# KiCad board MyCPU.kicad_pcb (continued)
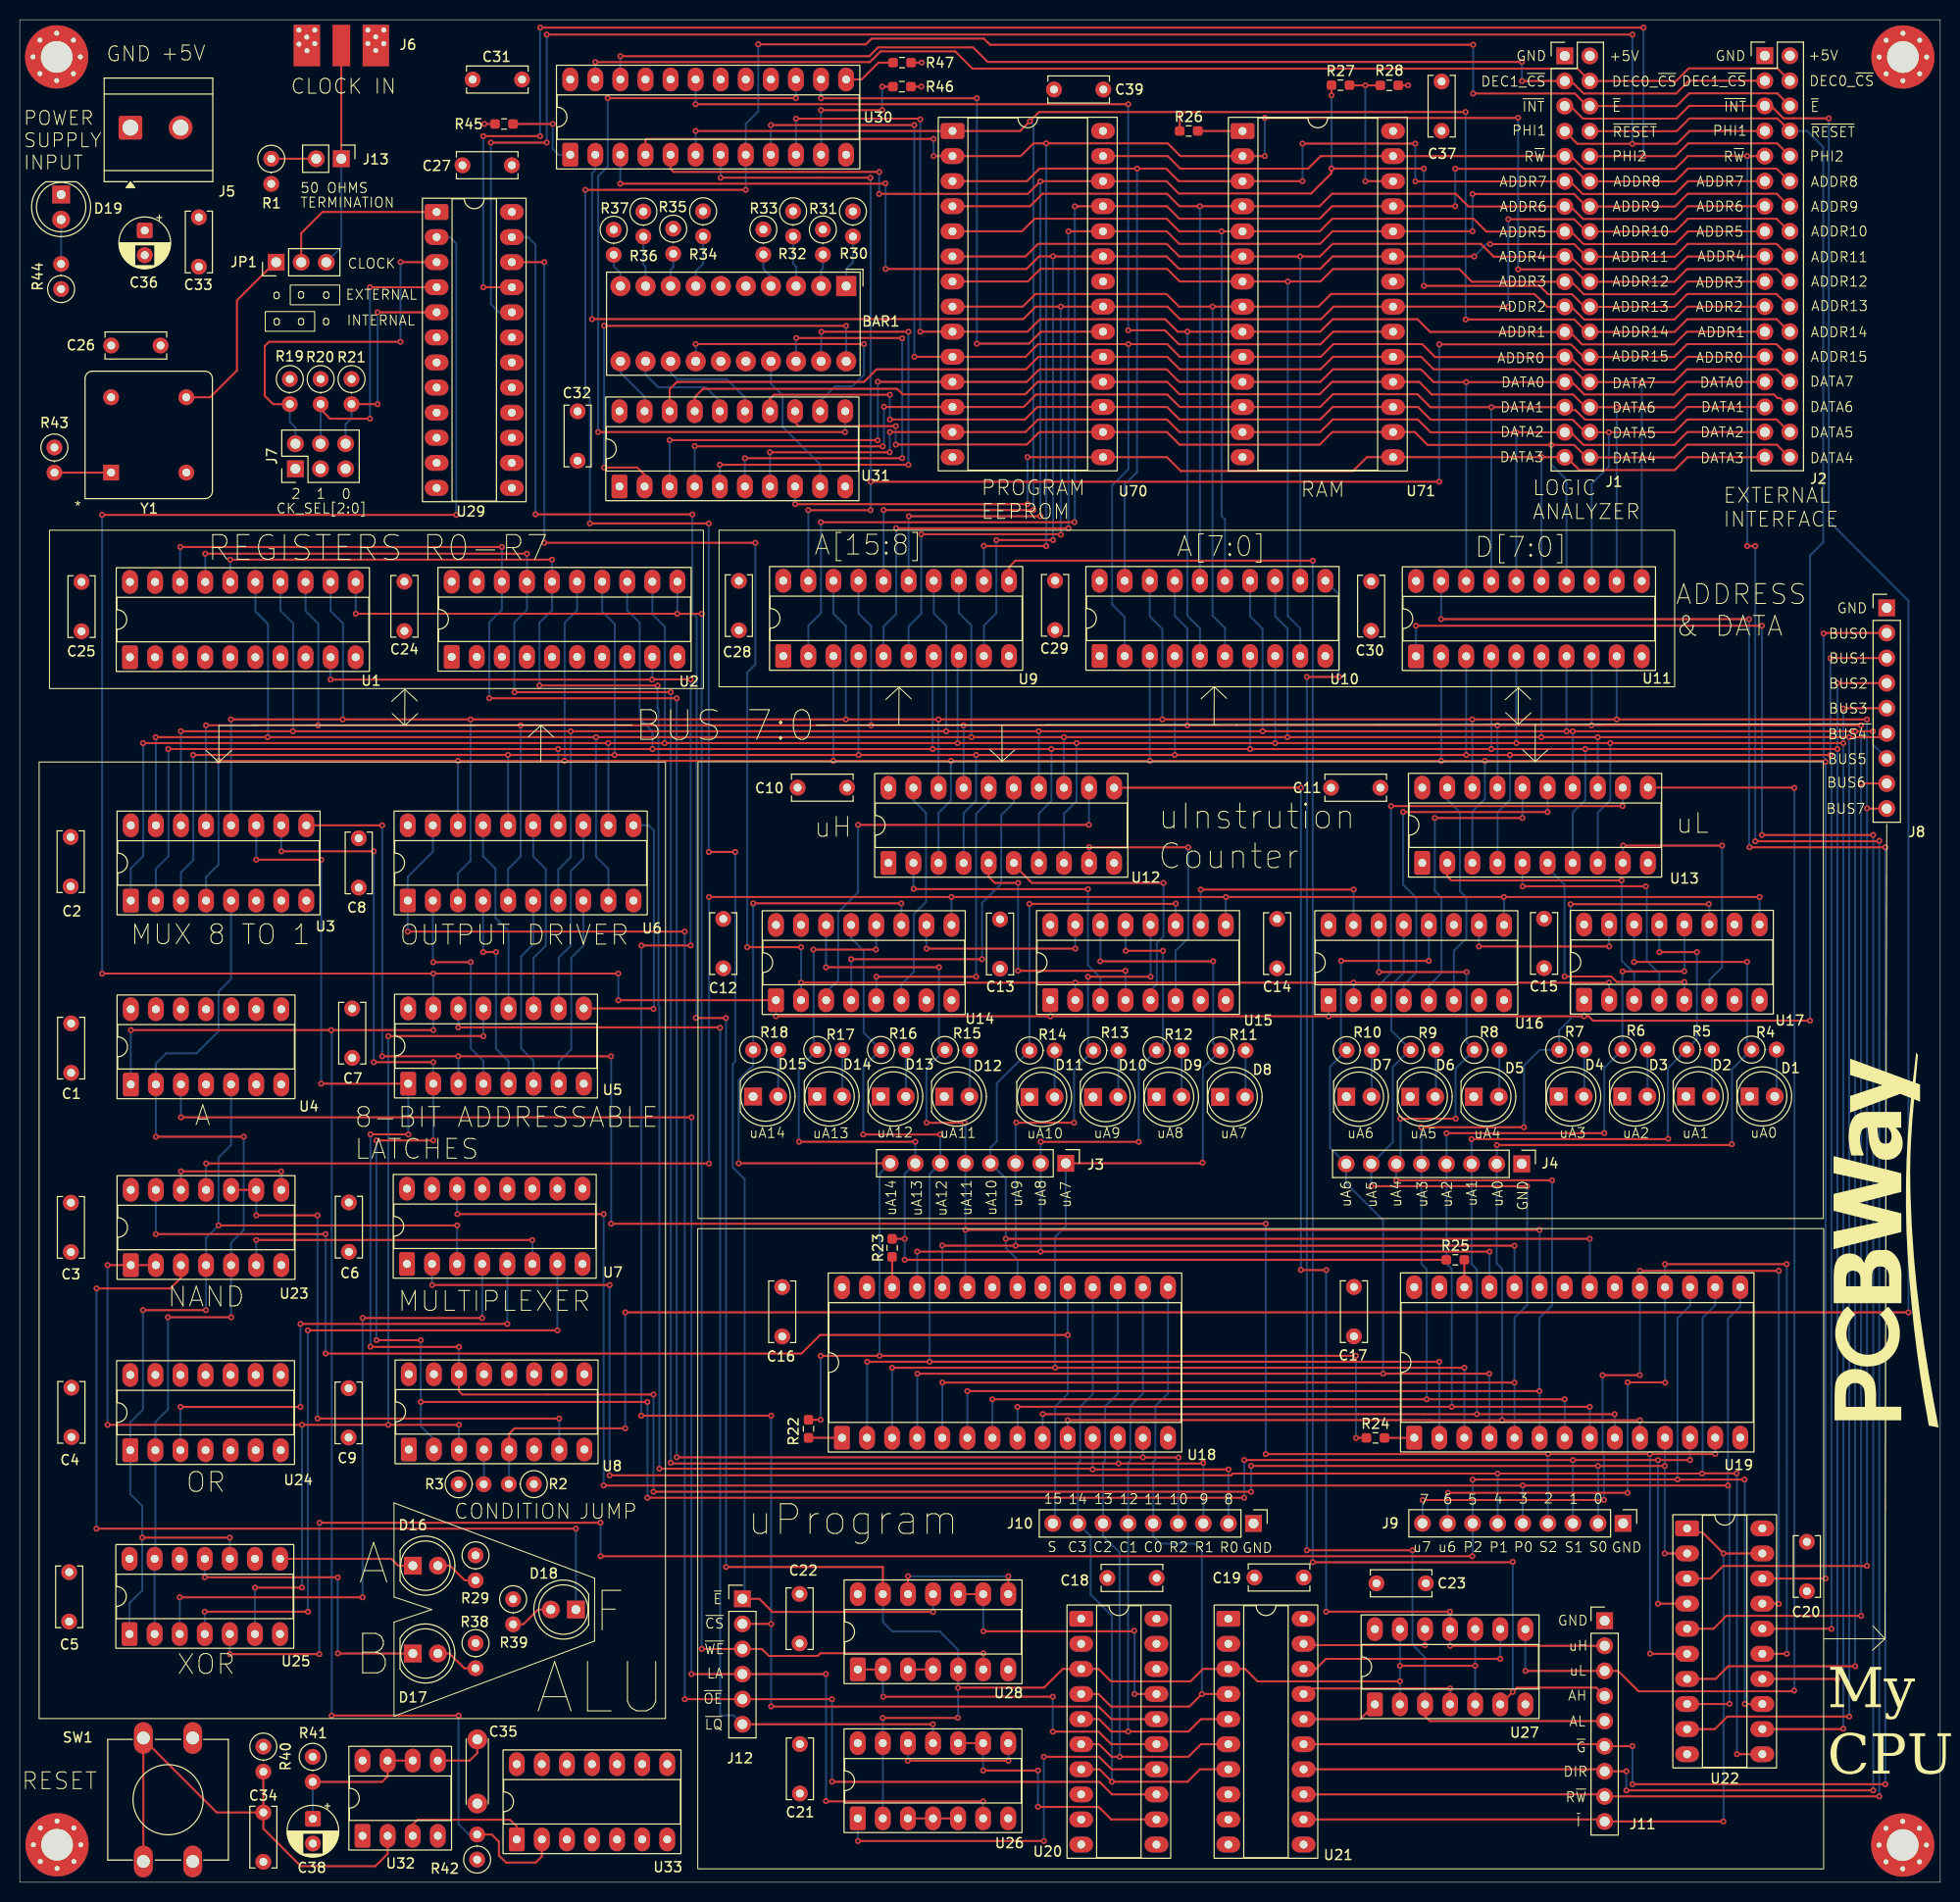
[diagram p0: board, top side]
## Routing (per net, layer and track width the routed paths; a pad name or vN(x,y) marks a point on that pad's centre or on a via; arc(x,y) is an arc through that point) (continued)
uL: length 138.6
  Top w0.2: 152.48,21.4 v1(152.49,21.39) J11.3 161.88,21.39 163.94,19.33 179.63,19.33 v1(179.7,19.4) ; v1(179.72,110.79) 179.69,110.82 U13.11
  Bottom w0.2: v1(179.72,110.79) 179.73,110.78 179.73,19.44 v1(179.7,19.4) ; v1(152.49,21.39) 152.48,21.4 U27.8
~{CS}: length 205.6
  Top w0.2: v1(76.1,26.14) 76.09,26.15 J12.2 ; U20.16 110.54,16.51 109.27,17.78 76.12,17.78 v1(76.1,17.81) ; v1(67.95,94.83) 62.97,94.83 v1(62.96,94.82) ; v1(76.1,47.23) v1(62.95,47.23) ; v1(67.95,121.77) 64.06,121.77 v1(64.03,121.75) v1(31.49,121.75)
  Bottom w0.2: U1.9 v1(31.49,121.75) ; v1(76.1,17.81) v1(76.1,26.14) v1(76.1,47.23) ; U2.9 64.06,121.78 v1(64.03,121.75) ; v1(62.95,47.23) 62.95,94.81 v1(62.96,94.82) ; v1(67.95,94.83) v1(67.95,121.77)
~{E}: length 323.1
  Top w0.2: v1(92.5,27.35) 92.49,27.37 76.23,27.37 74.9,28.69 J12.1 ; v1(73.53,171.33) v1(57.28,171.33) ; v1(147.19,181.08) 157.49,181.08 158.76,179.81 J1.6 167.79,179.81 169.08,181.1 178,181.1 J2.6 ; v1(57.74,137.56) v1(69.78,137.56) ; v1(74.79,186.06) 85.69,186.06 86.27,186.65 97.64,186.65 98.26,186.02 v1(147.2,186.02) 147.07,186.15 ; v1(69.78,104.3) v1(72.46,104.3)
  Bottom w0.2: J12.1 73.41,28.92 73.41,71.17 72.21,72.38 72.21,82.83 72.46,83.09 72.46,101.94 72.46,101.94 v1(72.46,104.3) ; v1(57.74,137.56) 57.74,150.26 57.28,150.72 v1(57.28,171.33) ; v1(69.78,104.3) v1(69.78,137.56) ; v1(74.79,186.06) 74.79,179.26 73.53,178 U30.8 v1(73.53,171.33) ; U28.11 92.5,27.36 v1(92.5,27.35) ; v1(147.19,181.08) 147.2,181.09 v1(147.2,186.02)
~{G}: length 229.6
  Top w0.2: v1(163.33,13.78) 163.32,13.77 J11.6 160.31,13.97 U21.15 ; v1(175.14,127.87) v1(143.95,127.87) ; v1(163.33,9.92) v1(188.93,9.92) ; v1(175.19,104.77) v1(188.93,104.77)
  Bottom w0.2: v1(175.14,127.87) 175.14,104.82 v1(175.19,104.77) ; v1(188.93,9.92) v1(188.93,104.77) ; v1(163.33,9.92) v1(163.33,13.78) ; v1(143.95,127.87) U11.19
~{INT}: length 311.3
  Top w0.2: v1(191.28,57.69) v1(61.32,57.69) ; v1(61.32,45.95) 50.11,45.95 49.56,45.4 U8.5 ; J1.5 157.04,179.81 158.31,178.54 167.78,178.54 169.07,179.83 J2.5 177.37,179.83 178.63,178.57 v1(183.21,178.57)
  Bottom w0.2: v1(191.28,57.69) 191.28,129.73 183.21,137.8 v1(183.21,178.57) ; U8.5 49.56,40.34 R2.2 ; v1(61.32,57.69) v1(61.32,45.95)
~{I}: length 78.5
  Top w0.2: v1(172.55,33.28) 170.41,35.42 169.26,35.42 U22.1 ; v1(172.55,33.28) U22.19 ; v1(172.55,33.28) 172.55,33.21 ; v1(172.53,6.15) J11.9 160.31,6.35 U21.12
  Bottom w0.2: v1(172.55,33.28) 172.55,6.17 v1(172.53,6.15)
~{LQ}: length 121.9
  Top w0.2: v1(92.48,16) J12.6 ; v1(70.93,86.5) 70.89,86.54 v1(44.41,86.54)
  Bottom w0.2: v1(92.48,16) 92.49,15.98 U26.11 ; v1(44.41,86.54) 44.42,86.55 U5.14 ; J12.6 72.29,16.89 70.93,16.89 v1(70.93,86.5)
~{OE}: length 174.2
  Top w0.2: v1(67.35,18.52) 67.36,18.53 J12.5 82.25,18.53 v1(82.26,18.52) ; U20.13 110.62,8.89 109.35,10.16 82.29,10.16 v1(82.27,10.19) ; v1(67.35,96.24) v1(39.29,96.24)
  Bottom w0.2: v1(67.35,96.24) v1(67.35,18.52) ; U6.19 41.84,104.33 39.3,101.79 U6.1 39.3,96.25 v1(39.29,96.24) ; v1(82.26,18.52) 82.27,18.51 v1(82.27,10.19)
~{RESET}: length 556.8
  Top w0.2: v1(41.88,91.99) 8.35,91.99 v1(8.34,91.98) ; v1(41.88,91.99) 41.89,92 ; v1(41.88,91.99) v1(60.62,91.99) ; v1(76.58,87.67) 76.58,87.67 v1(104.38,87.67) v1(132.56,87.67) v1(158.43,87.67) 158.88,87.67 159.33,87.22 v1(181.31,87.22) ; R42.2 47.8,4.83 48.53,4.1 48.53,2.71 49.25,2 52.26,2 52.88,2.61 U33.2 ; J1.8 167.8,177.27 169.09,178.56 178,178.56 J2.8 ; U14.1 60.63,89.29 v1(60.62,89.28) ; v1(31.59,16.88) v1(44.44,16.88) ; v1(41.88,86.27) v1(31.54,86.27) v1(11.25,86.27) ; v1(8.34,138.42) v1(44.2,138.42)
  Bottom w0.2: v1(76.58,87.67) 76.58,89.29 U14.1 ; v1(44.2,138.42) 44.2,165.9 43.55,166.55 U29.2 ; U17.1 158.43,89.33 v1(158.43,87.67) ; R42.2 45.49,4.83 44.44,5.88 v1(44.44,16.88) ; U16.1 132.56,89.28 v1(132.56,87.67) ; v1(181.31,87.22) 181.31,134.31 182.65,135.65 182.65,175.67 181.03,177.29 J2.8 ; v1(31.59,16.88) 31.59,86.22 v1(31.54,86.27) ; v1(60.62,89.28) v1(60.62,91.99) ; v1(8.34,91.98) v1(8.34,138.42) ; v1(41.88,86.27) U5.15 v1(41.88,91.99) ; U4.1 11.25,86.26 v1(11.25,86.27) ; U15.1 104.38,89.29 v1(104.38,87.67)
~{uLoad}: length 198.3
  Top w0.2: v1(69.81,72.77) v1(18.88,72.77) ; v1(69.81,99.74) v1(94.36,99.74) v1(122.16,99.74) v1(150.31,99.74) v1(176.2,99.74)
  Bottom w0.2: v1(69.81,99.74) v1(69.81,72.77) ; v1(122.16,99.74) 122.14,99.73 122.14,96.92 ; U23.11 18.87,72.75 v1(18.88,72.77) ; v1(94.36,99.74) 94.37,99.73 U14.9 ; v1(150.31,99.74) 150.32,99.72 U16.9 ; v1(176.2,99.74) U17.9
~{WE}: length 176.9
  Top w0.2: 69.06,128.42 v1(69.06,128.41) 66.59,128.41 v1(66.58,128.42) v1(34.03,128.42) ; v1(69.06,23.62) J12.3 75.17,23.62 75.87,22.91 80.83,22.91 81.1,23.19 97.58,23.19 v1(97.59,23.17)
  Bottom w0.2: v1(66.58,128.42) 66.61,128.44 U2.11 ; v1(69.06,128.41) v1(69.06,23.62) ; 34.03,131.64 34.03,128.42 v1(34.03,128.42) ; v1(97.59,23.17) 97.57,23.16 U28.6
Net-(BAR1-A-Pad1): length 5.3
  Bottom w0.2: R30.2 84.38,164 83.7,163.32 BAR1.1
Net-(BAR1-A-Pad2): length 3.3
  Bottom w0.2: BAR1.2 81.16,163.2 81.34,163.38 R31.2
Net-(BAR1-A-Pad3): length 5.2
  Bottom w0.2: R32.2 78.32,163.86 78.62,163.56 BAR1.3
Net-(BAR1-A-Pad4): length 3.5
  Bottom w0.2: BAR1.4 76.08,162.56 75.31,163.33 R33.2
Net-(BAR1-A-Pad7): length 5.3
  Bottom w0.2: R34.2 69.21,163.85 68.46,163.1 BAR1.7
Net-(BAR1-A-Pad8): length 3.4
  Bottom w0.2: R35.2 66.18,163.49 65.92,163.23 BAR1.8
Net-(BAR1-A-Pad9): length 5.1
  Bottom w0.2: R36.2 63.16,163.78 63.38,163.56 BAR1.9
Net-(BAR1-A-Pad10): length 3.5
  Bottom w0.2: BAR1.10 60.84,162.92 60.15,163.61 R37.2
Net-(D1-A): length 4.8
  Bottom w0.2: R4.2 177.93,79.74 D1.2
Net-(D2-A): length 4.8
  Bottom w0.2: D2.2 171.37,79.63 R5.2
Net-(D3-A): length 4.8
  Bottom w0.2: D3.2 164.86,79.56 R6.2
Net-(D4-A): length 4.8
  Bottom w0.2: D4.2 158.45,79.6 R7.2
Net-(D5-A): length 4.8
  Bottom w0.2: D5.2 149.85,79.57 R8.2
Net-(D6-A): length 4.8
  Bottom w0.2: R9.2 143.42,79.59 D6.2
Net-(D7-A): length 4.7
  Bottom w0.2: D7.2 136.93,79.56 R10.2
Net-(D8-A): length 4.7
  Bottom w0.2: R11.2 124.14,79.54 D8.2
Net-(D9-A): length 4.7
  Bottom w0.2: R12.2 D9.2
Net-(D10-A): length 4.7
  Bottom w0.2: R13.2 111.26,79.52 D10.2
Net-(D11-A): length 4.7
  Bottom w0.2: R14.2 104.81,79.5 D11.2
Net-(D12-A): length 4.7
  Bottom w0.2: D12.2 96.23,79.59 R15.2
Net-(D13-A): length 4.7
  Bottom w0.2: R16.2 89.76,79.57 D13.2
Net-(D14-A): length 4.7
  Bottom w0.2: D14.2 83.31,79.57 R17.2
Net-(D15-A): length 4.7
  Bottom w0.2: R18.2 76.81,79.55 D15.2
Net-(D16-A): length 4.4
  Top w0.2: R29.2 45.07,30.56 43.58,32.05 D16.2
Net-(D16-K): length 13.7
  Top w0.2: U25.8 37.63,32.75 38.33,32.05 D16.1
Net-(D17-A): length 4.8
  Top w0.2: 45.94,21.88 R38.2 45.02,21.66 43.55,23.14 43.55,23.16 D17.2
Net-(D17-K): length 30.6
  Top w0.2: v1(32.21,30.87) 32.2,30.88 v1(18.74,30.88) ; D17.1 32.24,23.16 v1(32.22,23.17)
  Bottom w0.2: v1(32.21,30.87) 32.21,23.19 v1(32.22,23.17) ; U25.11 v1(18.74,30.88)
Net-(D18-A): length 4.4
  Top w0.2: R39.2 51,26.11 52.49,27.6 53.78,27.6
Net-(D18-K): length 91.4
  Top w0.2: U23.3 16.33,61.19 15.25,60.11 v1(7.78,60.11) ; v1(56.33,35.79) v1(7.77,35.79)
  Bottom w0.2: D18.1 56.33,35.79 v1(56.33,35.79) ; v1(7.78,60.11) 7.77,60.1 v1(7.77,35.79)
Net-(D19-A): length 4.5
  Bottom w0.2: D19.2 R44.2
Net-(J13-Pin_1): length 22.7
  Top w0.2: 32.54,174.51 J13.1 ; J13.1 32.53,174.52 ; J13.1 32.56,185.94 J6.1 ; 32.56,184.28 32.56,184.28
  Bottom w0.2: JP1.3 32.56,165.52 J13.1
Net-(J13-Pin_2): length 4.6
  Top w0.2: J13.2 25.47,174.48 R1.1
Net-(JP1-A): length 18.9
  Top w0.2: Y1.5 19.28,150.33 22,153.05 22,160.14 25.86,164 JP1.1
Net-(JP1-C): length 17.5
  Top w0.2: JP1.2 28.5,166.94 30.66,169.09 U29.1
Net-(U7-I0a): length 32.9
  Top w0.2: v1(23.96,65.02) v1(51.91,65.02)
  Bottom w0.2: 51.92,62.59 51.92,65.01 v1(51.91,65.02) ; U23.6 23.94,65.01 v1(23.96,65.02)
Net-(U7-I1a): length 52
  Top w0.2: v1(16.28,48.12) v1(28.43,48.12) ; v1(28.43,56.52) v1(49.38,56.52)
  Bottom w0.2: v1(49.38,56.52) 49.38,56.52 U7.5 ; U24.3 16.28,48.11 v1(16.28,48.12) ; v1(28.43,48.12) v1(28.43,56.52)
Net-(U7-I2a): length 68.1
  Top w0.2: v1(16.21,28.84) v1(34.72,28.84) ; v1(34.72,57.12) v1(46.83,57.12)
  Bottom w0.2: v1(34.72,57.12) v1(34.72,28.84) ; U25.3 16.2,28.84 v1(16.21,28.84) ; v1(46.83,57.12) 46.84,57.12 U7.4
Net-(U7-Za): length 73.2
  Top w0.2: v1(18.73,27.39) v1(29.18,27.39) ; v1(54.46,55.87) v1(29.18,55.87)
  Bottom w0.2: U7.7 v1(54.46,55.87) ; v1(29.18,27.39) v1(29.18,55.87) ; U25.4 18.74,27.38 v1(18.73,27.39)
Net-(U8-I2a): length 3.5
  Bottom w0.2: R3.2 47.02,40.33 U8.4
Net-(U8-Za): length 59.5
  Top w0.2: v1(54.63,46.94) v1(30.16,46.94) ; U23.10 U23.9 ; v1(30.16,67.52) v1(23.96,67.52)
  Bottom w0.2: U8.7 54.64,46.93 v1(54.63,46.94) ; v1(30.16,46.94) v1(30.16,67.52) ; U23.9 23.94,67.53 v1(23.96,67.52)
Net-(U12-O0): length 32.1
  Top w0.2: v1(90.53,100.57) 90.56,100.54 v1(108.18,100.54)
  Bottom w0.2: v1(90.53,100.57) 90.51,100.59 U12.2 ; U15.3 109.44,91.58 108.18,92.84 v1(108.18,100.54)
Net-(U12-O1): length 27.4
  Top w0.2: v1(101.11,101.17) 98.75,101.17 98.13,101.79 U12.5 ; v1(111.98,92.27) v1(101.11,92.27)
  Bottom w0.2: v1(111.98,92.27) 111.99,92.26 U15.4 ; v1(101.11,92.27) v1(101.11,101.17)
Net-(U12-O2): length 28.5
  Top w0.2: U12.6 100.67,103 102.5,101.17 v1(115.83,101.17)
  Bottom w0.2: U15.5 114.53,90.29 115.16,90.92 115.16,95.07 115.83,95.74 v1(115.83,101.17)
Net-(U12-O3): length 27.8
  Top w0.2: v1(108.31,104.79) 108.33,104.77 v1(118.33,104.77) 118.53,104.77
  Bottom w0.2: v1(118.33,104.77) 118.33,95.57 117.06,94.3 U15.6 ; U12.9 108.29,104.78 v1(108.31,104.79)
Net-(U12-O4): length 46.2
  Top w0.2: v1(84.91,107.04) v1(108.28,107.04)
  Bottom w0.2: U14.3 81.67,90.1 82.88,91.32 82.88,98.19 84.91,100.22 v1(84.91,107.04) ; v1(108.28,107.04) 108.28,107.39 108.29,107.4 U12.12
Net-(U12-O5): length 36.1
  Top w0.2: v1(84.2,93.44) v1(97.45,93.44)
  Bottom w0.2: U12.15 100.67,109.33 100.68,109.32 99.41,108.04 99.41,101.09 97.45,99.14 v1(97.45,93.44) ; U14.4 v1(84.2,93.44)
Net-(U12-O6): length 32.1
  Top w0.2: v1(86.75,91.67) v1(96.86,91.67)
  Bottom w0.2: v1(86.75,91.67) 86.75,91.66 U14.5 ; U12.16 98.13,109.44 96.86,108.17 v1(96.86,91.67)
Net-(U12-O7): length 23.1
  Bottom w0.2: U14.6 89.29,90.9 90.56,92.17 90.56,98.02 91.78,99.24 91.78,108.27 90.51,109.54 U12.19
Net-(U13-O0): length 31.8
  Top w0.2: U13.2 144.57,101.82 144.98,101.42 v1(162.23,101.42)
  Bottom w0.2: v1(162.23,101.42) 162.23,93.29 163.5,92.02 U17.3
Net-(U13-O1): length 26.9
  Top w0.2: v1(152.2,100.82) v1(164.68,100.82)
  Bottom w0.2: v1(152.2,100.82) 152.19,100.83 U13.5 ; U17.4 166.05,92 164.78,93.27 164.78,100.72 v1(164.68,100.82)
Net-(U13-O2): length 26.4
  Top w0.2: v1(156.45,91.69) 161.18,91.69 161.73,91.14 v1(168.58,91.14)
  Bottom w0.2: 168.58,89.33 168.58,91.14 v1(168.58,91.14) ; U13.6 154.74,102.71 156.45,100.99 v1(156.45,91.69)
Net-(U13-O3): length 27.9
  Top w0.2: v1(162.38,104.94) v1(172.41,104.94)
  Bottom w0.2: U13.9 162.36,104.92 v1(162.38,104.94) ; U17.6 171.12,91.34 172.41,92.62 v1(172.41,104.94)
Net-(U13-O4): length 45.5
  Top w0.2: v1(162.33,108.94) v1(138.88,108.94)
  Bottom w0.2: v1(162.33,108.94) 162.36,108.97 U13.12 ; U16.3 137.62,90.81 138.88,92.07 v1(138.88,108.94)
Net-(U13-O5): length 37.2
  Top w0.2: v1(140.11,108.34) v1(154.73,108.34)
  Bottom w0.2: U13.15 154.74,108.65 154.73,108.64 v1(154.73,108.34) ; v1(140.11,108.34) 140.11,100.99 141.43,99.67 141.43,92.09 140.17,90.83 U16.4
Net-(U13-O6): length 31.2
  Top w0.2: v1(152.18,107.74) v1(143.31,107.74)
  Bottom w0.2: v1(152.18,107.74) 152.19,107.76 U13.16 ; 142.7,89.29 142.7,90.77 143.98,92.04 143.98,99.69 143.31,100.37 v1(143.31,107.74)
Net-(U13-O7): length 22.8
  Bottom w0.2: U16.6 145.25,94.31 146.5,95.57 146.5,99.69 145.86,100.34 145.86,108.32 144.57,109.6 U13.19
Net-(U14-CET): length 19.9
  Top w0.2: v1(91.83,94.52) v1(106.91,94.52)
  Bottom w0.2: U14.10 91.82,94.52 v1(91.83,94.52) ; v1(106.91,94.52) U15.15
Net-(U15-CET): length 22.6
  Top w0.2: v1(135.1,100.49) v1(119.61,100.49)
  Bottom w0.2: v1(119.61,100.49) 119.61,100.22 119.61,100.22 U15.10 ; 135.08,96.91 135.08,100.48 v1(135.1,100.49)
Net-(U16-CET): length 17.6
  Top w0.2: v1(160.97,94.73) v1(147.78,94.73)
  Bottom w0.2: v1(147.78,94.73) 147.78,94.92 147.79,94.93 U16.10 ; v1(160.97,94.73) 160.97,94.74 U17.15
Net-(U18-A13): length 3.1
  Top w0.2: U18.26 R23.2
Net-(U18-A14): length 3.4
  Top w0.2: R22.2 83.27,44.99 U18.1
Net-(U19-A13): length 2.8
  Top w0.2: R25.2 146.3,60.25 U19.26
Net-(U19-A14): length 3
  Top w0.2: R24.2 141.2,44.98 U19.1
Net-(U20-I03): length 30.2
  Top w0.2: U20.17 v1(112.9,19.06) ; v1(112.86,25.46) 112.8,25.4 97.6,25.4 v1(97.59,25.41) ; U28.10 U28.9
  Bottom w0.2: v1(97.59,25.41) 97.57,25.43 U28.9 ; v1(112.86,25.46) 112.9,25.42 v1(112.9,19.06)
Net-(U20-IO5): length 37.1
  Top w0.2: v1(104.62,18.78) v1(87.45,18.78) ; U20.15 110.54,13.97 109.27,15.25 v1(104.62,15.25) ; U28.1 U28.2
  Bottom w0.2: U28.2 87.42,18.82 v1(87.45,18.78) ; v1(104.62,15.25) v1(104.62,18.78)
Net-(U20-IO6): length 41.6
  Top w0.2: v1(103.72,12.7) 109.31,12.7 110.58,11.44 U20.14 ; v1(103.72,4.17) v1(84.89,4.17)
  Bottom w0.2: U26.1 84.87,4.19 v1(84.89,4.17) ; v1(103.72,12.7) v1(103.72,4.17)
Net-(U20-IO8): length 27.1
  Top w0.2: v1(103.12,11.31) v1(97.57,11.31) ; U26.10 U26.9 ; v1(103.12,7.64) 103.14,7.62 109.27,7.62 110.54,6.35 U20.12
  Bottom w0.2: v1(103.12,11.31) 103.13,11.31 103.13,7.65 v1(103.12,7.64) ; U26.9 v1(97.57,11.31)
Net-(U21-I03): length 16.7
  Top w0.2: v1(144.87,19.62) 130.58,19.62 U21.17
  Bottom w0.2: v1(144.87,19.62) 144.86,19.6 U27.4
Net-(U21-IO1): length 14
  Top w0.2: U21.19 130.15,24 v1(142.31,24)
  Bottom w0.2: U27.12 142.32,24.01 v1(142.31,24)
Net-(U21-IO2): length 23.4
  Top w0.2: v1(149.94,22.62) 132.29,22.62 131.27,21.59 U21.18
  Bottom w0.2: U27.9 v1(149.94,22.62)
Net-(U21-IO4): length 7.8
  Top w0.2: U27.1 135.75,16.51 U21.16
Net-(U23-Pad12): length 13.9
  Top w0.2: v1(26.48,71.97) v1(16.33,71.97)
  Bottom w0.2: U23.8 26.49,71.96 v1(26.48,71.97) ; v1(16.33,71.97) 16.33,70.1 U23.12
Net-(U26-Pad3): length 5.1
  Top w0.2: U26.3 U26.4 U26.5
Net-(U26-Pad12): length 13.8
  Top w0.2: v1(89.93,12.31) v1(100.13,12.31)
  Bottom w0.2: U26.8 100.13,14.06 v1(100.13,12.31) ; v1(89.93,12.31) 89.95,12.32 U26.12
Net-(U28-Pad3): length 2.5
  Top w0.2: U28.3 U28.4
Net-(U28-Pad12): length 13.8
  Top w0.2: U28.8 100.12,30.97 v1(100.12,30.97) ; v1(89.96,30.98) 89.95,30.98 U28.12
  Bottom w0.2: v1(89.96,30.98) 89.97,30.97 v1(100.12,30.97)
Net-(U30-I1/CLK): length 8.6
  Top w0.2: R45.2 v1(53.97,178)
  Bottom w0.2: v1(53.97,178) 53.97,175.48 54.56,174.89 U30.1
Net-(U30-I11): length 14.2
  Top w0.2: v1(81.15,179.4) v1(87.34,179.4) ; R46.2 v1(87.34,181.78)
  Bottom w0.2: U30.11 v1(81.15,179.4) ; v1(87.34,181.78) v1(87.34,179.4)
Net-(U30-I13): length 5.5
  Top w0.2: R47.2 86.96,184.21 85.25,182.51 83.69,182.51
Net-(U31-O0): length 48
  Top w0.2: v1(59.19,143.22) 62.54,143.22 63.28,142.48 U31.2 ; v1(59.18,157.57) 59.19,157.56 v1(83.7,157.56)
  Bottom w0.2: v1(59.18,157.57) 59.18,143.23 v1(59.19,143.22) ; BAR1.20 v1(83.7,157.56)
Net-(U31-O1): length 46.6
  Top w0.2: v1(70.9,143.5) 89.99,143.5 v1(90,143.49) ; v1(90,156.96) v1(81.18,156.96)
  Bottom w0.2: BAR1.19 81.16,156.94 v1(81.18,156.96) ; U31.5 v1(70.9,143.5) ; v1(90,143.49) v1(90,156.96)
Net-(U31-O2): length 44
  Top w0.2: v1(89.37,144.17) 89.36,144.16 v1(73.44,144.16) ; v1(89.37,156.3) 89.34,156.33 v1(78.64,156.33)
  Bottom w0.2: v1(78.64,156.33) 78.62,156.31 BAR1.18 ; v1(73.44,144.16) U31.6 ; v1(89.37,144.17) v1(89.37,156.3)
Net-(U31-O3): length 14.7
  Bottom w0.2: U31.9 81.06,143.53 77.26,147.33 77.26,150.53 76.08,151.71 BAR1.17
Net-(U31-O4): length 28.5
  Top w0.2: v1(68.45,155.72) v1(85.5,155.72)
  Bottom w0.2: v1(68.45,155.72) 68.46,155.71 BAR1.14 ; v1(85.5,155.72) 85.5,152.62 84.32,151.44 82.55,151.44 81.06,149.95 U31.12
Net-(U31-O5): length 11.1
  Bottom w0.2: BAR1.13 65.92,152.81 66.56,152.17 71.59,152.17 73.44,150.32 U31.15
Net-(U31-O6): length 11
  Bottom w0.2: U31.16 70.9,149.92 69.48,151.34 64.67,151.34 63.38,152.63 BAR1.12
Net-(U31-O7): length 6.1
  Bottom w0.2: BAR1.11 60.84,152.83 63.28,150.39 U31.19
Net-(U32-CV): length 5.7
  Top w0.2: U32.5 45.58,12.32 46.34,13.08 C35.1
Net-(U32-DIS): length 15.7
  Top w0.2: R41.2 36.69,10.16 37.26,10.72 U32.7 U32.6
  Bottom w0.2: C38.1 29.67,6.44 R41.2
Net-(U32-Q): length 13.5
  Top w0.2: U33.1 50.34,5.65 49.66,6.32 40.3,6.32 39.8,5.82 U32.3
Net-(U32-TR): length 50.1
  Top w0.2: U32.2 37.26,2.88 36.01,1.62 28.47,1.62 24.67,5.42 C34.1 ; SW1.2 SW1.2 12.52,14.5 19.95,7.06 C34.1 ; C34.1 R40.2
Net-(U71-A13): length 15.6
  Top w0.2: U71.26 136.29,172.21 v1(136.28,172.2) ; R28.2 v1(136.28,181.91) 134.69,181.91 R27.2
  Bottom w0.2: v1(136.28,172.2) v1(136.28,181.91)
Net-(U71-A14): length 4.5
  Top w0.2: U71.1 123.83,177.29 R26.2
Net-(Y1-EN): length 5.7
  Top w0.2: Y1.1 9.25,142.71 R43.2

## Copper pours and planes (outline as drawn; the poured copper is in the pictures)
+5V on In2.Cu: -13.04,193.69 204.73,193.97 205.7,-10.75 -17.75,-12.33
GND on In1.Cu: -8.44,188.72 199.81,188.49 199.81,-4.06 -8.67,-4.28

## Text on the board
F.Silkscreen: * | o | CK_SEL[2:0] | 2 | 50 OHMS | TERMINATION | 1 | 0 | EXTERNAL | INTERNAL | CLOCK | ~{OE} | ~{WE} | ~{LQ} | ~{CS} | LA | ~{E} | uA14 | uA13 | uA12 | uA11 | uA10 | 15 | C3 | 14 | C2 | uA9 | 13 | C1 | 12 | C0 | 11 | uA8 | R2 | 10 | R1 | 9 | R0 | uA7 | 8 | GND | uA6 | uA5 | u7 | 7 | u6 | 6 | P2 | 5 | uA4 | DEC1_~{CS} | P1 | 4 | ADDR0 | ADDR1 | ADDR4 | ADDR3 | ADDR2 | ADDR5 | ADDR7 | ADDR6 | DATA3 | DATA1 | DATA2 | DATA0 | PHI1 | P0 | 3 | ~{INT} | R~{W} | S2 | uA3 | DIR | S1 | AH | uH | AL | uL | ~{I} | ~{G} | S0 | +5V | DEC0_~{CS} | ADDR11 | ADDR13 | ADDR15 | ADDR12 | ADDR14 | DATA7 | DATA6 | PHI2 | ADDR9 | ADDR10 | DATA5 | DATA4 | ~{RESET} | ADDR8 | uA2 | uA1 | uA0 | BUS7 | BUS6 | BUS5 | BUS4 | BUS0 | BUS3 | BUS1 | BUS2 | S | POWER / SUPPLY / INPUT | CLOCK IN | CONDITION | JUMP | PROGRAM / EEPROM | RAM | LOGIC / ANALYZER | EXTERNAL / INTERFACE | RESET | MUX 8 TO 1 | NAND | XOR | OR | A | 8-BIT ADDRESSABLE / LATCHES | MULTIPLEXER | OUTPUT DRIVER | A[15:8] | A[7:0] | D[7:0] | ADDRESS / & DATA | REGISTERS R0-R7 | uInstrution / Counter | BUS 7:0 | uProgram | B | F | ALU | My / CPU
